# Altium PCB nRF52840-kit.PcbDoc
Units mil, origin at the board's own origin, x right, y up, seen from the top; angles counter-clockwise.
Board outline 1889.76 x 1173.85 mil, 4 copper layers (Top Layer, Mid-Layer 1, Mid-Layer 2, Bottom Layer), stack 59.252 mil thick; 63 components, 85 nets, 306 pads, 239 vias.
Unrouted connection lines stored in the file: 8.
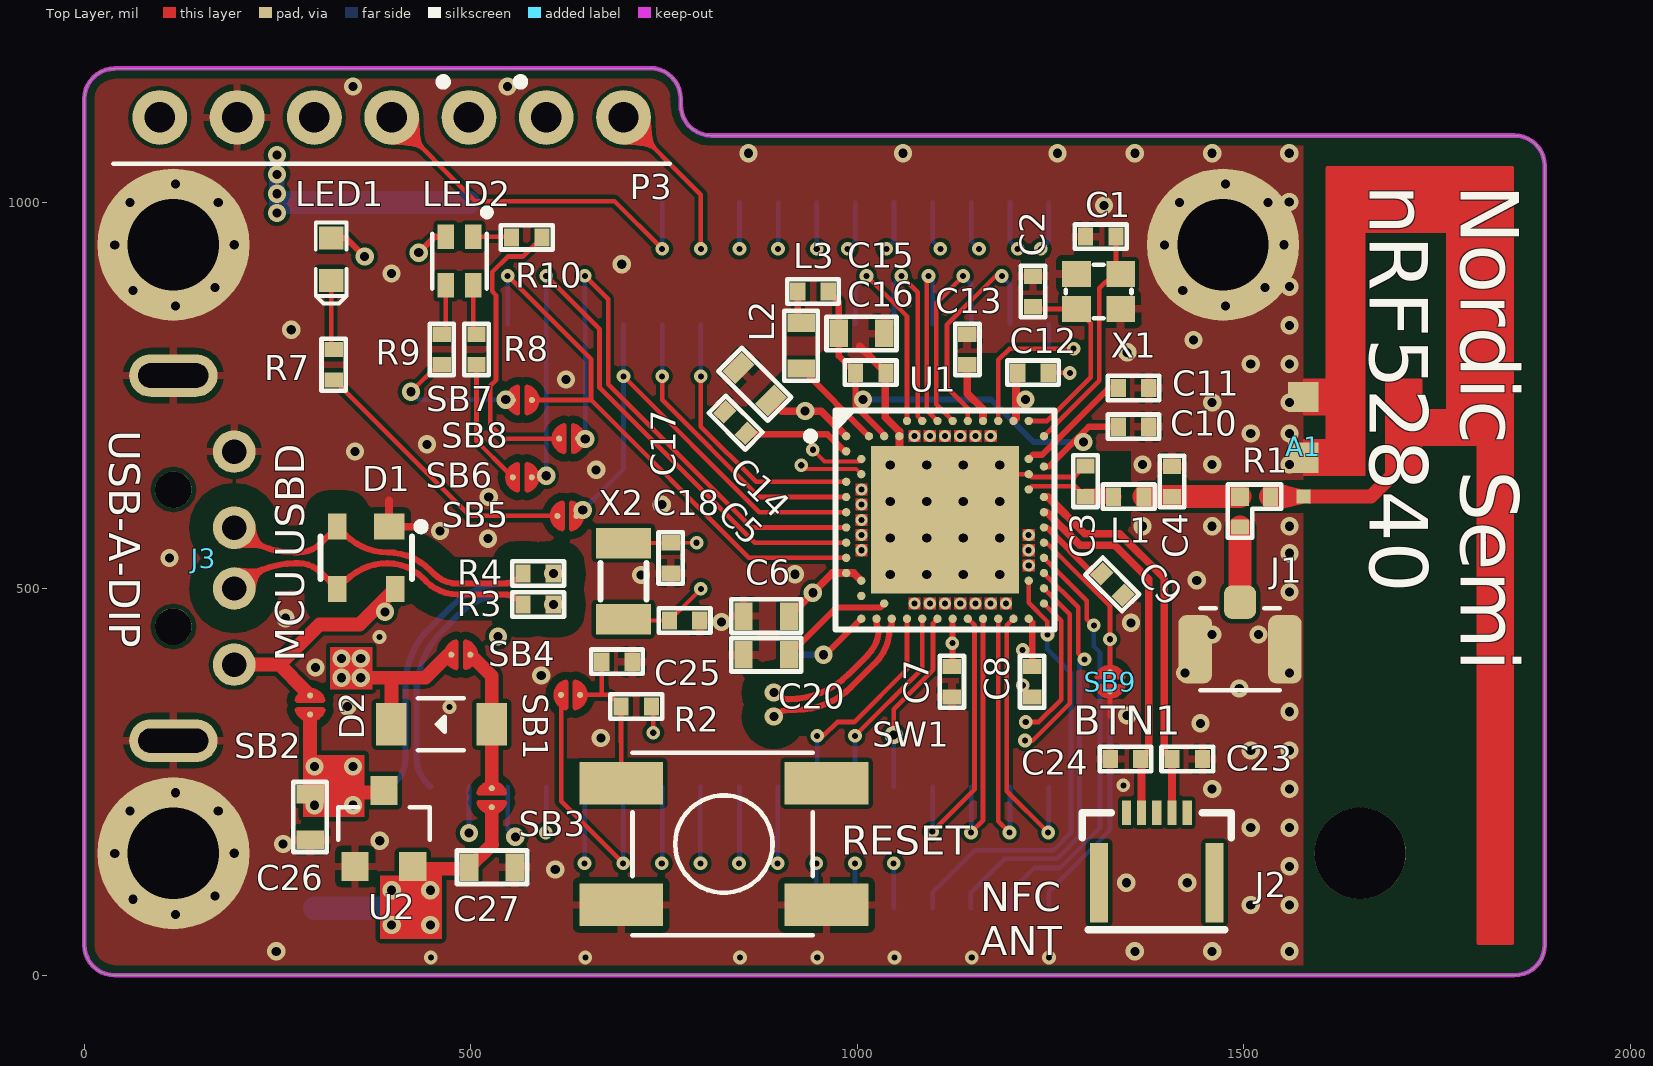
[diagram p0: Top Layer view]
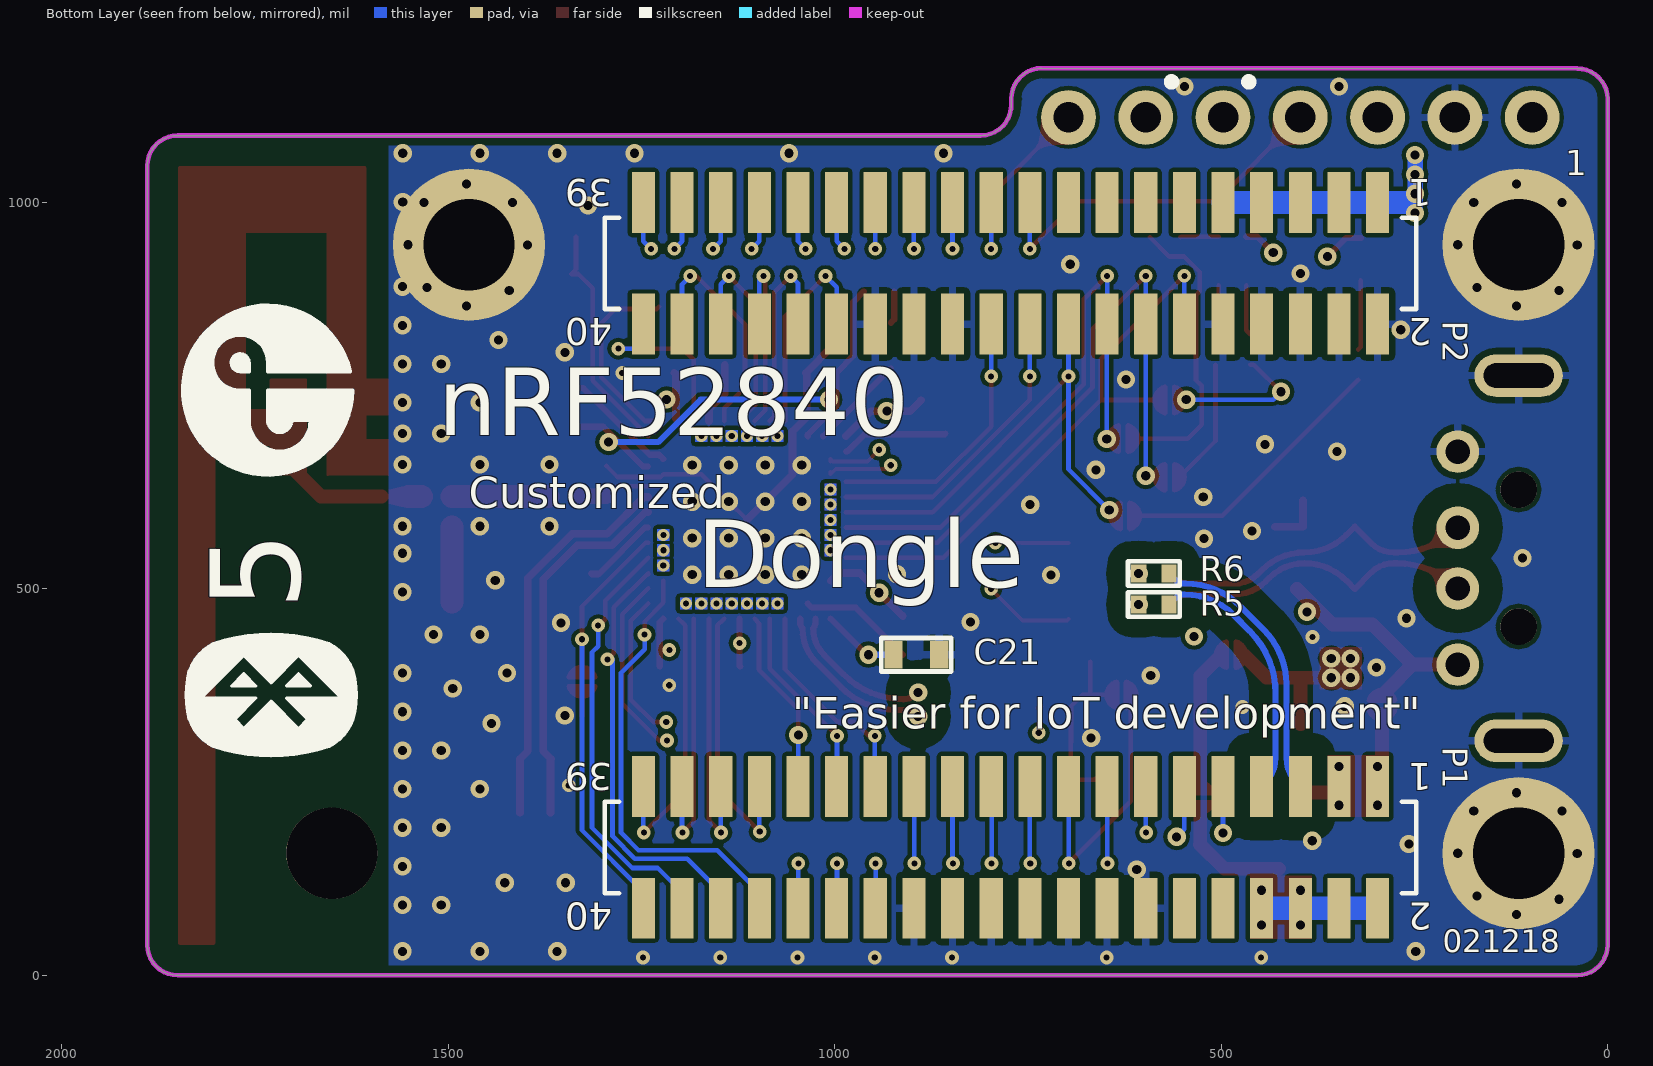
[diagram p1: Bottom Layer view, seen from below]
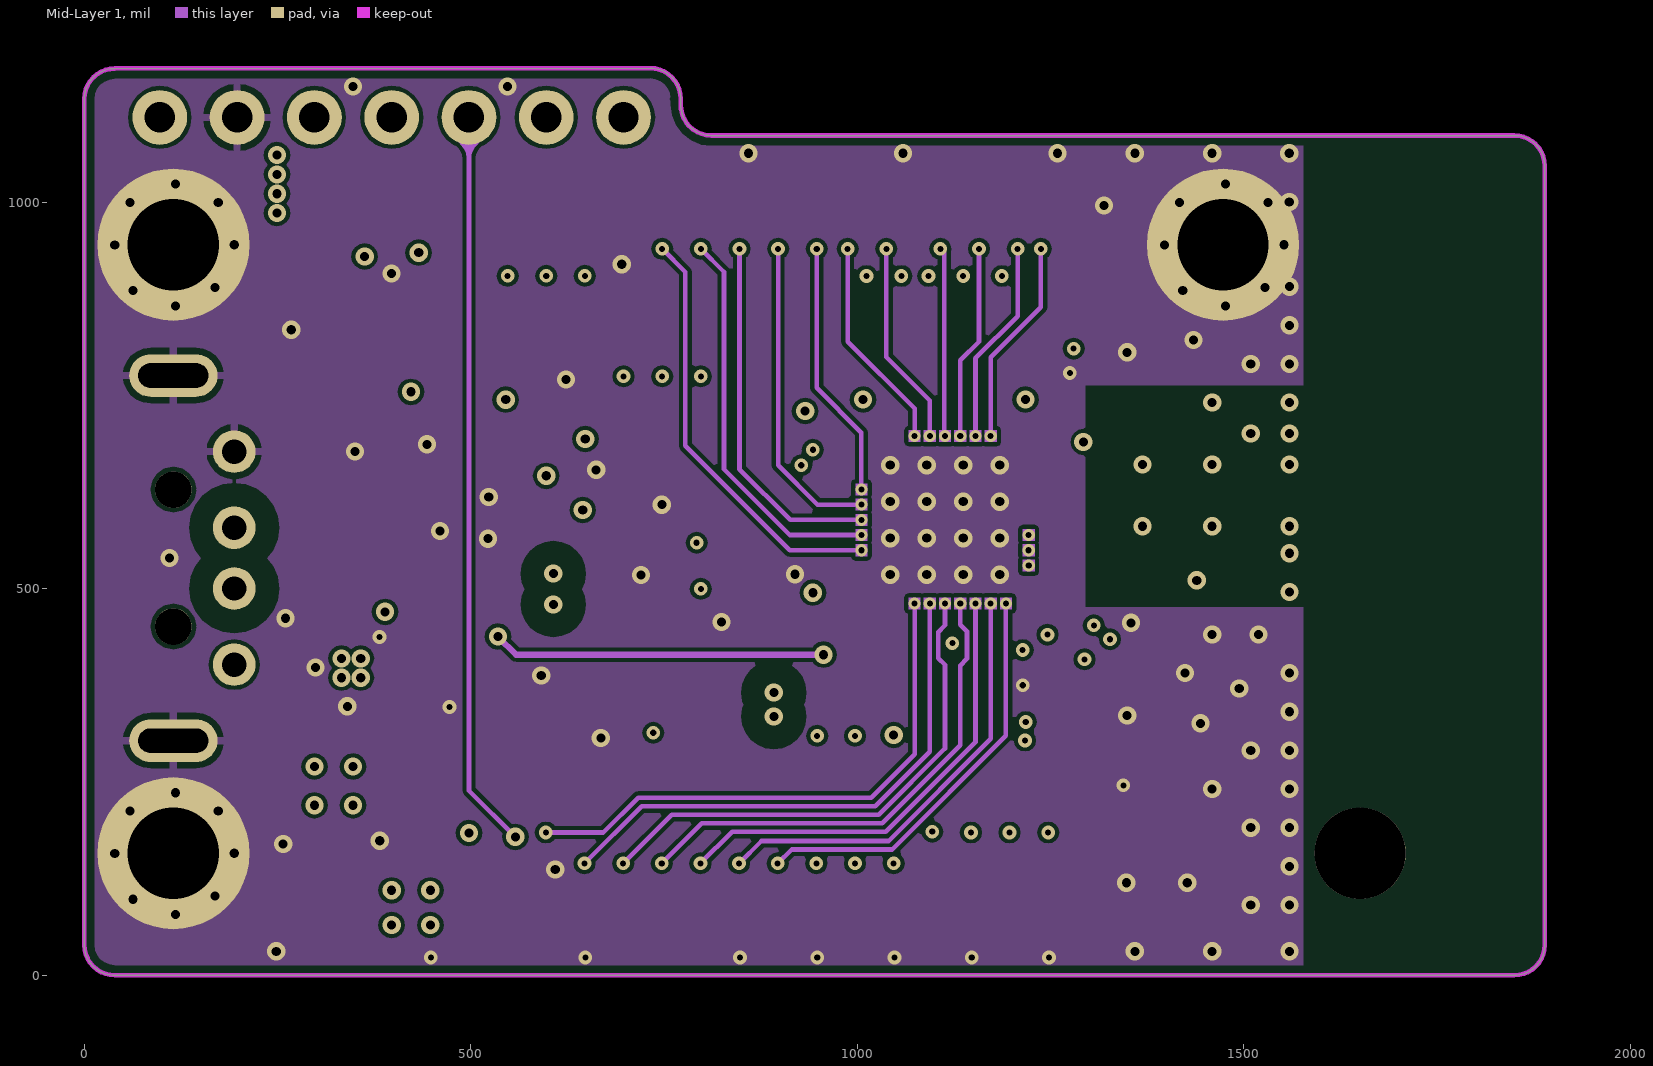
[diagram p2: Mid-Layer 1]
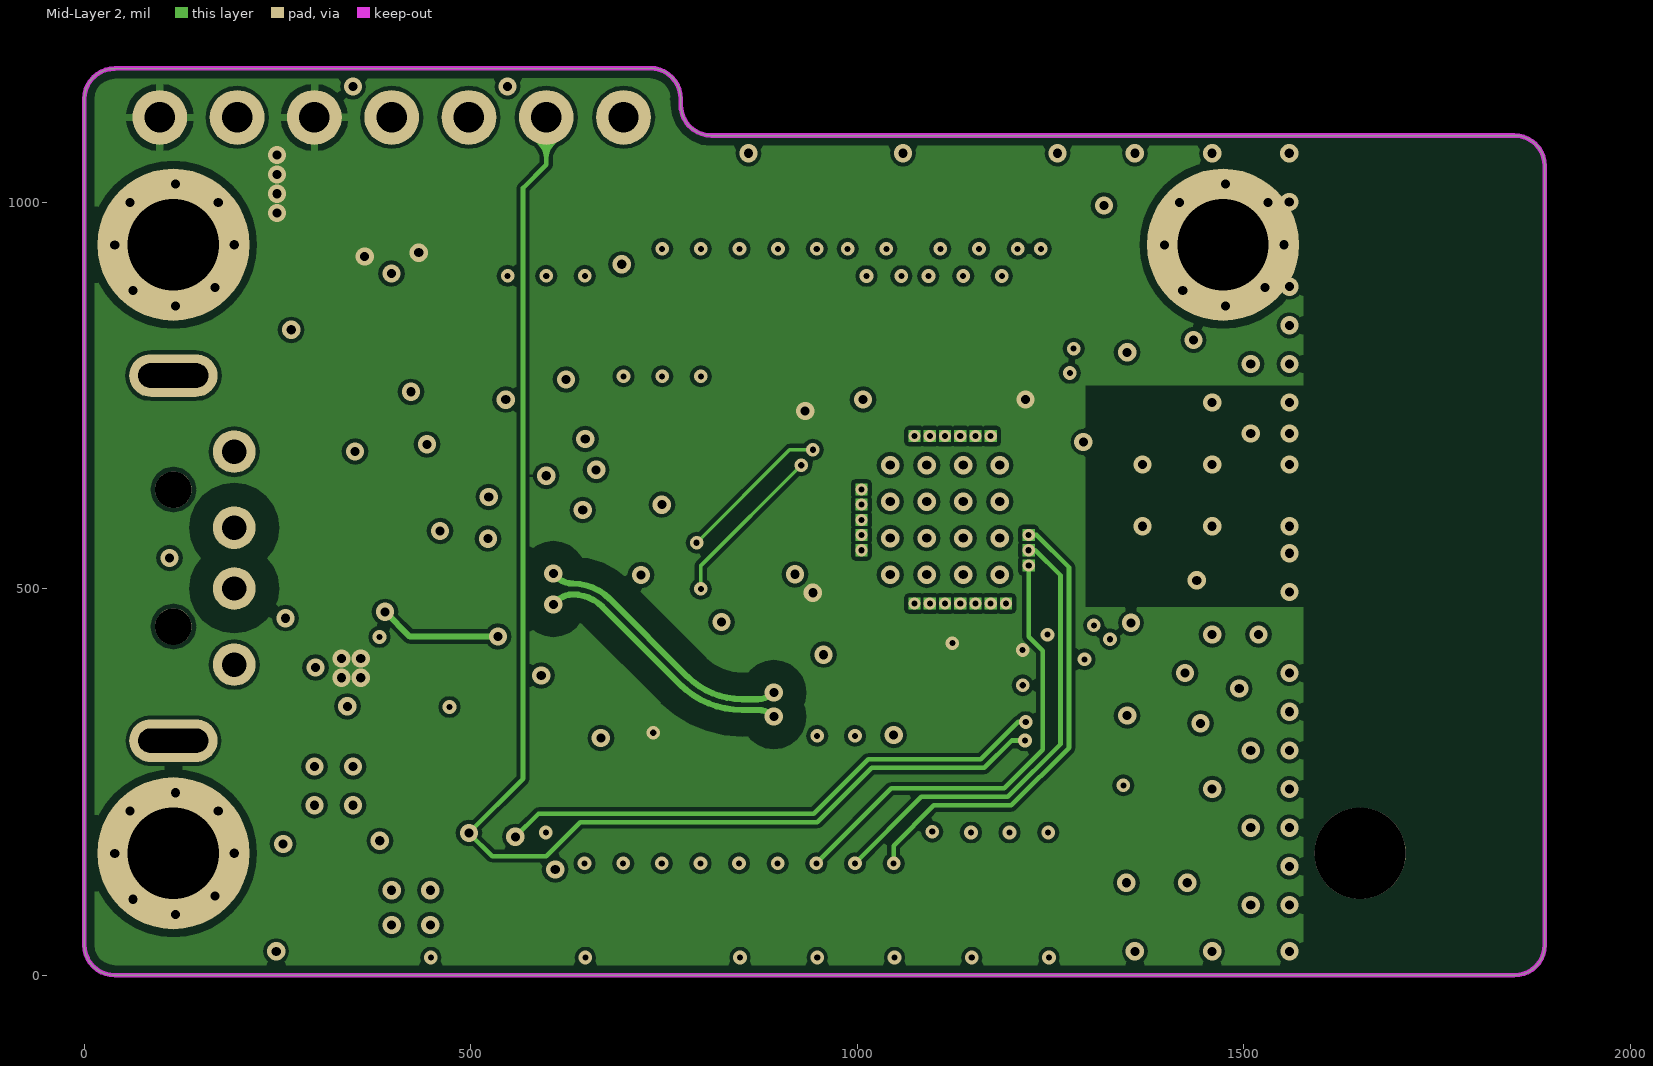
[diagram p3: Mid-Layer 2]
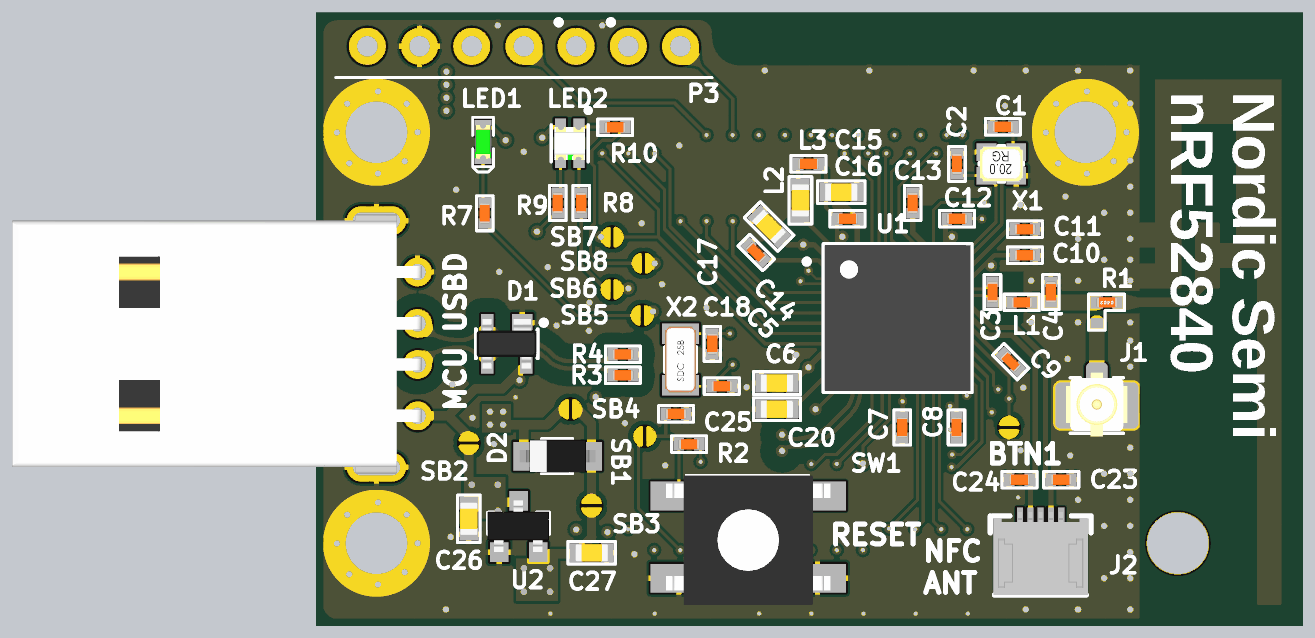
[diagram p4: 3D render of the assembled board from above, using the file's embedded part models]
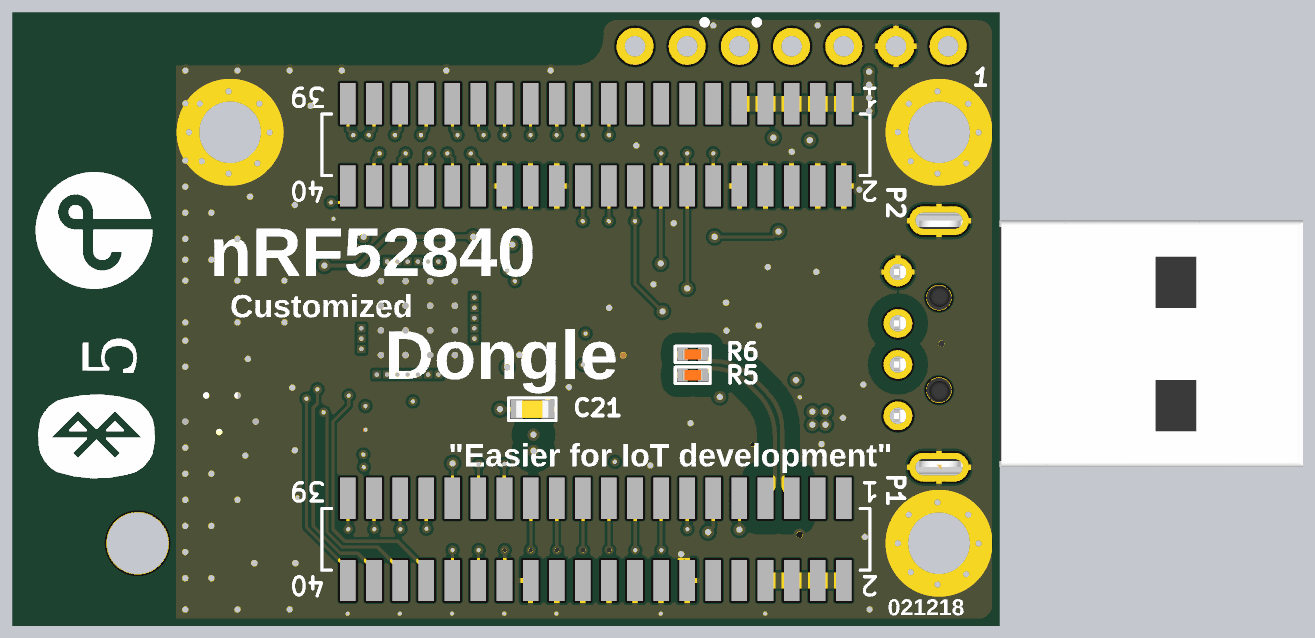
[diagram p5: 3D render of the assembled board from below, using the file's embedded part models]

## Layer stack, top to bottom
Top Solder: solder mask 1.8701, Solder Resist, Dk 3.5
Top Layer: signal copper 0.689
Dielectric1: prepreg 3.937, FR-4, Dk 3.72
Mid-Layer 1: signal copper 1.378
Dielectric2: core 47.2441, FR-4, Dk 3.72
Mid-Layer 2: signal copper 1.378
Dielectric3: prepreg 3.937, FR-4, Dk 3.72
Bottom Layer: signal copper 0.689
Bottom Solder: solder mask 1.8701, Solder Resist, Dk 3.5

## Board outline
0,39.37 0,1133.86 cw(c39.37,1133.86) 39.37,1173.23 732.28,1173.85 732.28,1173.84 cw(c731.98,1134.16) 771.65,1133.86 771.65,1126.59 ccw(c811.33,1126.29) 811.02,1086.61 1850.39,1086.61 cw(c1850.39,1047.24) 1889.76,1047.24 1889.76,39.37 cw(c1850.39,39.37) 1850.39,0 39.37,0 cw(c39.37,39.37)

## Design rules (kind name [scope] priority, off if disabled: settings)
Clearance Outline_Clearance [IsKeepOut] p1: gap=5 ignorepadtopadclearanceinfootprint=FALSE except(10: Arc-Fill Arc-Poly Arc-Region Track-Fill Track-Poly Track-Region SMDPad-Fill SMDPad-Poly SMDPad-Region THPad-Fill THPad-Poly THPad-Region Via-Fill Via-Poly Via-Region Fill-Fill Fill-Poly Fill-Region Poly-Poly Poly-Region Region-Region)
Clearance FreePad_Clearance [InNamedPolygon('Mid Layer 2-VDD') vs HasPad('Free-0')] p2: gap=5 ignorepadtopadclearanceinfootprint=FALSE except(10: Arc-Fill Arc-Poly Arc-Region Track-Fill Track-Poly Track-Region SMDPad-Fill SMDPad-Poly SMDPad-Region THPad-Fill THPad-Poly THPad-Region Via-Fill Via-Poly Via-Region Fill-Fill Fill-Poly Fill-Region Poly-Poly Poly-Region Region-Region)
Clearance SoC_FIl_Clearance [IsFill or IsVia vs IsFill or IsVia or HasFootprint('AQFN50P700X700X85_HS-74N')] p3: gap=3.5 ignorepadtopadclearanceinfootprint=FALSE
Clearance USB_Clearance [InNamedPolygon('Top Layer-GND') or InNamedPolygon('Bottom Layer-GND') or InNamedPolygon('Mid Layer 1-GND') or InNamedPolygon('Mid Layer 2-VDD') vs InAnyDifferentialPair] p4: gap=5 ignorepadtopadclearanceinfootprint=FALSE except(30: Arc-Fill Arc-Poly Arc-Region Track-Fill Track-Poly Track-Region SMDPad-Fill SMDPad-Poly SMDPad-Region THPad-Fill THPad-Poly THPad-Region Via-Fill Via-Poly Via-Region Fill-Fill Fill-Poly Fill-Region Poly-Poly Poly-Region Region-Region)
Clearance ANT_error_Clearance [HasFootprint('IFA_ANTENNA')] p5: gap=0 ignorepadtopadclearanceinfootprint=FALSE
Clearance SoC [HasFootprint('AQFN50P700X700X85_HS-74N')] p6: gap=3.5 ignorepadtopadclearanceinfootprint=FALSE except(5: Arc-Fill Arc-Poly Arc-Region Track-Fill Track-Poly Track-Region SMDPad-Fill SMDPad-Poly SMDPad-Region THPad-Fill THPad-Poly THPad-Region Via-Fill Via-Poly Via-Region Fill-Fill Fill-Poly Fill-Region Poly-Poly Poly-Region Region-Region)
Clearance RF_Clearance [InNet('ANT') or InNet('RF') or InNet('RF1')] p7: gap=3.5 ignorepadtopadclearanceinfootprint=FALSE except(6: Arc-Fill Arc-Poly Arc-Region Track-Fill Track-Poly Track-Region SMDPad-Fill SMDPad-Poly SMDPad-Region THPad-Fill THPad-Poly THPad-Region Via-Fill Via-Poly Via-Region Fill-Fill Fill-Poly Fill-Region Poly-Poly Poly-Region Region-Region)
Clearance SB_Clearance [HasFootprint('Solderbridge')] p8: gap=10 ignorepadtopadclearanceinfootprint=FALSE except(3.5: Arc-Arc Arc-Track Arc-Text Track-Track Track-Text SMDPad-Text THPad-Text Via-Text Fill-Text Poly-Text Region-Text Text-Text; 5: Arc-SMDPad Arc-THPad Arc-Via Arc-Hole Track-SMDPad Track-THPad Track-Via Track-Hole SMDPad-SMDPad SMDPad-THPad SMDPad-Via SMDPad-Hole THPad-THPad THPad-Via THPad-Hole Via-Via Via-Hole Fill-Hole Poly-Hole Region-Hole Text-Hole)
Clearance Clearance_basic [All] p9: gap=5 ignorepadtopadclearanceinfootprint=FALSE
DiffPairsRouting [All] p1: maxlimit=6 minlimit=6 mostfreqgap=6 toplayer_minwidth=8 toplayer_maxwidth=8 toplayer_prefwidth=8 midlayer1_minwidth=8 midlayer1_maxwidth=8 midlayer1_prefwidth=8 midlayer2_minwidth=8 midlayer2_maxwidth=8 midlayer2_prefwidth=8 bottomlayer_minwidth=8 bottomlayer_maxwidth=8 bottomlayer_prefwidth=8 maxuncoupledlength=500
HoleSize [All] p1: absolutevalues=TRUE maxlimit=248.03 minlimit=7.87 maxpercent=80.000 minpercent=20.000
MinimumSolderMaskSliver [All] p1: minsoldermaskwidth=0
PolygonConnect PolygonConnect_1 [(IsVia and (InNet('VDD_nRF') or InNet('GND'))) or  (HasPad('Free-0'))or (HasFootprint('HRS_U.FL-R-SMT')) or (HasFootprint('IFA_ANTENNA'))] p1: connectstyle=Direct reliefconductorwidth=10 reliefentries=4 polygonreliefangle="90 Angle" airgapwidth=10
PolygonConnect [All] p2: connectstyle=Relief reliefconductorwidth=10 reliefentries=4 polygonreliefangle="90 Angle" airgapwidth=8
RoomDefinition nRF52840-MCU [InComponentClass('nRF52840-MCU')] p1: confinementstyle=ConfineIn formatcopy=TRUE lockcomponents=FALSE outline -3049.57,-3420.69 -1049.57,-3420.69 -1049.57,-2420.69 -3049.57,-2420.69
RoutingVias [All] p1: holewidth=11.81 width=23.62 viastyle="Through Hole" minholewidth=7.87 minwidth=15.75 maxholewidth=27.56 maxwidth=39.37
SilkToSilkClearance [All] p1: silktosilkclearance=0
SilkToSolderMaskClearance [IsPad] p1: minsilkscreentomaskgap=0 clearancetoexposedcopper=TRUE
SolderMaskExpansion [All] p1: expansion=4
Width [All] p1: maxlimit=50 minlimit=3.5 preferedwidth=6
25 further rules are at their usual default settings.

## Classes and differential pairs
component class nRF52840-MCU: A1 C1 C2 C3 C4 C5 C6 C7 C8 C9 C10 C11 C12 C13 C14 C15 C16 C17 C18 C20 C21 C23 C24 C25 J1 J2 L1 L2 L3 R1 R2 SB1 SW1 U1 X1 X2
component class misc: C26 C27 D1 D2 J3 LED1 LED2 P1 P2 P3 R3 R4 R5 R6 R7 R8 R9 R10 SB2 SB3 SB4 SB5 SB6 SB7 SB8 SB9 U2
differential pair D2: +D2_P -D2_N
differential pair D: +D_P -D_N
differential pair D1: +D1_P -D1_N

## Components (designator, comment, footprint, x,y, rotation, side; value= is the part's Value field where it differs from the comment)
A1 "IFA Antenna" IFA_ANTENNA 1577.43,619.31 r270 top locked
C1 "12pF" "0402 imperial" 1315.19,955.78 r180 top
C2 "12pF" "0402 imperial" 1227.51,884.78 r90 top
C3 "1.0pF" "0402 imperial" 1295.43,639.31 r270 top
C4 "1.0pF" "0402 imperial" 1407.43,639 r270 top
C5 "100nF" "0402 imperial" 842.71,715 r315 top
C6 "4.7µF" 0603_Imperial 882.51,464.78 r0 top
C7 "100nF" "0402 imperial" 1122.51,379.78 r90 top
C8 "100nF" "0402 imperial" 1226.51,379.78 r90 top
C9 "820pF" "0402 imperial" 1330.19,505.78 r135 top
C10 "N.C." "0402 imperial" 1357.51,709.78 r0 top
C11 "100pF" "0402 imperial" 1357.51,759.78 r0 top
C12 "100nF" "0402 imperial" 1227.51,779.78 r180 top
C13 "N.C." "0402 imperial" 1142.51,809.78 r270 top
C14 "1µF" 0603_Imperial 867.51,764.78 r315 top
C15 "1µF" 0603_Imperial 1005.7,830.53 r180 top
C16 "47nF" "0402 imperial" 1017.51,779.78 r180 top
C17 "12pF" "0402 imperial" 758.71,540 r90 top
C18 "12pF" "0402 imperial" 776.71,459 r180 top
C20 "4.7µF" 0603_Imperial 882.51,414.78 r0 top
C21 "4.7µF" 0603_Imperial 894.51,414.78 r0 bottom
C23 "300pF" "0402 imperial" 1427.19,279.78 r0 top
C24 "300pF" "0402 imperial" 1347.19,279.78 r0 top
C25 "100nF" "0402 imperial" 689.19,405.78 r180 top
C26 "1µF" 0603_Imperial 292.19,204.78 r90 top
C27 "1µF" 0603_Imperial 527.51,139.78 r180 top
D1 "PRTR5V0U2X" SOT190P230X110-4L 364.79,540.14 r270 top
D2 "DIODE S4" SOD-123 397.27,324.78 r0 top
J1 "Ipex" HRS_U.FL-R-SMT 1495.43,422.31 r180 top
J2 "FPC 0.5mm RA SMD" FPC_05P-0.5mm-RA-SMD 1387.71,62.7 r0 top
J3 "USB-A-Male" USB-A-DIP 193.96,539.78 r270 top locked
L1 "3.9nH" "0402 imperial" 1351.43,619.31 r0 top
L2 "10µH" 0603_Imperial 927.51,814.78 r90 top
L3 "15nH" "0402 imperial" 942.82,884.78 r0 top
LED1 "Green" LED_0603 319.4,899.15 r90 top
LED2 "RGB" LED_0603_RGB 485.45,924.15 r270 top
P1 "*" CONN1.27MM2x20_FM_SMD 272.71,165.39 r0 bottom
P2 "*" CONN1.27MM2x20_FM_SMD 272.71,921.26 r0 bottom
P3 "7p, 2.54mm" CONN2.54MM7P 97.71,1110 r0 top
R1 "Res Selector" RES_SELECTOR_0402 1495.43,619.31 r0 top value=0R
R2 "100K" "0402 imperial" 714.19,347.78 r0 top
R3 "0R" "0402 imperial" 587.19,479.78 r0 top
R4 "0R" "0402 imperial" 587.19,519.78 r0 top
R5 "0R" "0402 imperial" 587.19,479.78 r0 bottom
R6 "0R" "0402 imperial" 587.19,519.78 r0 bottom
R7 "10K" "0402 imperial" 322.71,790 r90 top
R8 "xx" "0402 imperial" 507.51,809.78 r90 top
R9 "xx" "0402 imperial" 462.51,809.78 r90 top
R10 "xx" "0402 imperial" 572.51,954.78 r180 top
SB1 "Solderbridge" Solderbridge#1 629.19,362.78 r0 top
SB2 "Solderbridge" Solderbridge#1 292.19,349.78 r270 top
SB3 "Solderbridge" Solderbridge#2 527.19,229.78 r270 top
SB4 "Solderbridge" Solderbridge#3 487.19,414.78 r0 top
SB5 "Solderbridge" Solderbridge#2 624.44,594.38 r0 top
SB6 "Solderbridge" Solderbridge#3 566.74,644.38 r0 top
SB7 "Solderbridge" Solderbridge#1 566.74,744.38 r0 top
SB8 "Solderbridge" Solderbridge#1 626.74,694.38 r0 top
SB9 "Solderbridge" Solderbridge#1 1327.19,379.78 r270 top
SW1 "PB SW" Switch-PB-6.2x6.3mm-SMD 827.51,169.78 r180 top
U1 "nRF52840-QIAA" AQFN50P700X700X85_HS-74N 1113.7,589.31 r0 top locked
U2 "XC6206P332MR" SOT-23 387.71,190 r0 top
X1 "32MHz" XTAL_2016 1312.51,884.78 r180 top
X2 "32.768kHz" XTAL_3215 697.71,510 r90 top

## Footprints (in the part's own frame and the unit in brackets; to place one, negate y for a bottom-side part, rotate by r counter-clockwise, add the part's x,y. Pads: shape width x height; smd on the part's side, far side on the other; paste and mask are expansions set on the pad)
"0402 imperial" [mm] "R, L, C"
  rect 0.5x0.6 smd: 1(-0.5,0) 2(0.5,0)
  silkscreen extent -0.85,-0.4 0.85,0.4, body extent -0.51,-0.25 0.51,0.25, height 0.5
0603_Imperial [mm]
  rect 0.6x0.9 smd: 1(-0.75,0) 2(0.75,0)
  silkscreen extent -1.15,-0.55 1.15,0.55, body extent -0.8,-0.43 0.8,0.43, height 0.8
AQFN50P700X700X85_HS-74N [mm]
  rect 4.85x4.85 smd mask+0.03: 74(0,0)
  round 0.275 smd paste+0.012 mask+0.05: A8(-1.25,3.25) A10(-0.75,3.25) A12(-0.25,3.25) A14(0.25,3.25) A16(0.75,3.25) A18(1.25,3.25) A20(1.75,3.25) A22(2.25,3.25) A23(2.75,3.25) AA24(3.25,-2.25) AB2(-2.75,-2.5) AC5(-2,-2.75) AC9(-1,-2.75) AC11(-0.5,-2.75) AC13(0,-2.75) AC15(0.5,-2.75) AC17(1,-2.75) AC19(1.5,-2.75) AC21(2,-2.75) AC24(3.25,-2.75) AD2(-2.75,-3.25) AD4(-2.25,-3.25) AD6(-1.75,-3.25) AD8(-1.25,-3.25) AD10(-0.75,-3.25) AD12(-0.25,-3.25) AD14(0.25,-3.25) AD16(0.75,-3.25) AD18(1.25,-3.25) AD20(1.75,-3.25) AD22(2.25,-3.25) AD23(2.75,-3.25) B1(-3.25,2.75) B3(-2.5,2.75) B5(-2,2.75) B7(-1.5,2.75) B9(-1,2.75) B11(-0.5,2.75) B13(0,2.75) B15(0.5,2.75) B17(1,2.75) B19(1.5,2.75) B24(3.25,2.75) C1(-3.25,2.25) D2(-2.75,2) D23(2.75,2) E24(3.25,1.75) F2(-2.75,1.5) F23(2.75,1.5) G1(-3.25,1.25) H2(-2.75,1) H23(2.75,1) J1(-3.25,0.75) J24(3.25,0.75) K2(-2.75,0.5) L1(-3.25,0.25) L24(3.25,0.25) M2(-2.75,0) N1(-3.25,-0.25) N24(3.25,-0.25) P2(-2.75,-0.5) P23(2.75,-0.5) R1(-3.25,-0.75) R24(3.25,-0.75) T2(-2.75,-1) T23(2.75,-1) U1(-3.25,-1.25) U24(3.25,-1.25) V23(2.75,-1.5) W1(-3.25,-1.75) W24(3.25,-1.75) Y2(-2.75,-2) Y23(2.75,-2)
  silkscreen extent -4.55,-3.6 3.6,3.6, body extent -3.55,-3.55 3.55,3.55, height 0.85
CONN1.27MM2x20_FM_SMD [mm]
  rect 0.76x2 smd: 1(0.635,-2) 2(0.635,2) 3(1.905,-2) 4(1.905,2) 5(3.175,-2) 6(3.175,2) 7(4.445,-2) 8(4.445,2) 9(5.715,-2) 10(5.715,2) 11(6.985,-2) 12(6.985,2) 13(8.255,-2) 14(8.255,2) 15(9.525,-2) 16(9.525,2) 17(10.795,-2) 18(10.795,2) 19(12.065,-2) 20(12.065,2) 21(13.335,-2) 22(13.335,2) 23(14.605,-2) 24(14.605,2) 25(15.875,-2) 26(15.875,2) 27(17.145,-2) 28(17.145,2) 29(18.415,-2) 30(18.415,2) 31(19.685,-2) 32(19.685,2) 33(20.955,-2) 34(20.955,2) 35(22.225,-2) 36(22.225,2) 37(23.495,-2) 38(23.495,2) 39(24.765,-2) 40(24.765,2)
  silkscreen extent -0.64,-1.5 26.04,1.5, body extent -0.61,-1.49 26.04,1.5, height 4.3
CONN2.54MM7P [mm]
  round 1.8 hole 1: 1(0,0) 2(2.54,0) 3(5.08,0) 4(7.62,0) 5(10.16,0) 6(12.7,0) 7(15.24,0)
  silkscreen extent -1.52,-1.52 16.76,-1.52
FPC_05P-0.5mm-RA-SMD [mm]
  rect 0.6x2.6 smd: 0(-1.9,1.45) 0(1.9,1.45)
  rect 0.3x0.8 smd: 1(-1,3.75) 2(-0.5,3.75) 3(0,3.75) 4(0.5,3.75) 5(1,3.75)
  silkscreen extent -2.45,-0.1 2.45,3.75, body extent -2.3,-0.1 2.3,3.95, height 1.2
HRS_U.FL-R-SMT [mm]
  rrect50% 1.1x2.25 smd: 1(-1.475,0.013) 2(1.475,0.013)
  rrect50% 1.05x1.1 smd: 3(0,-1.537)
  silkscreen extent -1.3,-1.34 1.3,1.36, body extent -1.5,-1.59 1.5,1.51, height 1.25